# Allegro board SDHCalFEB.brd (continued)
## Routing (per net, layer and track width the routed paths; a pad name or vN(x,y) marks a point on that pad's centre or on a via; arc(x,y) is an arc through that point) (continued)
GEM_OUT_J26: length 12.1
  TOP w0.127: R2029.2 194.01,140.84 R776.1 v2(193.04,142.32)
  GND1 w0.127: v2(193.04,142.32) v3(193.56,141.8)
  SIG3 w0.127: v3(201.68,141.68) 194.22,141.68 194.11,141.8 v3(193.56,141.8)
  GND3 w0.127: v4(202.2,142.2) v3(201.68,141.68)
GEM_OUT_J27: length 35.9
  TOP w0.127: R777.1 v2(254.76,156.06) 254.76,157.03 R2017.2
  GND1 w0.127: v3(254.76,155.32) v2(254.76,156.06)
  SIG3 w0.127: v3(254.76,155.32) 254.76,151.05 250.34,146.63 237.36,146.63 236.47,145.75 232.79,145.75 231.46,144.42 v3(231.46,142.2)
  GND3 w0.127: v4(232.2,142.2) v3(231.46,142.2)
GEM_OUT_J28: length 3.4
  TOP w0.127: R778.1 244.63,142.2 v2(243.67,142.2) 242.72,142.2 R2013.2
  GND1 w0.127: v3(242.94,142.2) v2(243.67,142.2)
  GND3 w0.127: v4(242.2,142.2) v3(242.94,142.2)
GEM_OUT_J29: length 3.9
  TOP w0.127: R2009.2 253.67,140.7 v2(253.67,142.2) 254.63,142.2 R779.1
  GND1 w0.127: v3(252.94,142.2) v2(253.67,142.2)
  GND3 w0.127: v4(252.2,142.2) v3(252.94,142.2)
GEM_OUT_J30: length 3.4
  TOP w0.127: R2033.2 191.71,142.2 v2(190.73,142.2) 189.77,142.2 R780.1
  GND1 w0.127: v3(191.46,142.2) v2(190.73,142.2)
  GND3 w0.127: v4(192.2,142.2) v3(191.46,142.2)
GEM_OUT_J31: length 44.1
  TOP w0.127: R2021.2 183.2,146.3 v2(182.22,146.3) R781.1
  GND1 w0.127: v2(182.22,146.3) v3(182.22,145.56)
  SIG3 w0.127: v3(182.22,145.56) 200.08,145.56 202.87,142.77 220.89,142.77 v3(221.46,142.2)
  GND3 w0.127: v4(222.2,142.2) v3(221.46,142.2)
GEM_OUT_J32: length 3.9
  TOP w0.127: R2037.2 181.45,141.46 v2(182.94,141.46) 182.94,140.51 R782.1
  GND1 w0.127: v3(182.2,141.46) v2(182.94,141.46)
  GND3 w0.127: v4(182.2,142.2) v3(182.2,141.46)
GEM_OUT_J33: length 3.9
  TOP w0.127: R2069.2 180.72,133.67 v2(182.2,133.67) 182.2,134.62 R783.1
  GND1 w0.127: v3(182.2,132.94) v2(182.2,133.67)
  GND3 w0.127: v4(182.2,132.2) v3(182.2,132.94)
GEM_OUT_J34: length 32.7
  TOP w0.127: R784.1 v2(183.29,127.77) 184.25,127.77 R2057.2
  GND1 w0.127: v3(184.02,127.77) v2(183.29,127.77)
  SIG3 w0.127: v3(211.46,132.2) 203.8,132.2 199.37,127.77 v3(184.02,127.77)
  GND3 w0.127: v4(212.2,132.2) v3(211.46,132.2)
GEM_OUT_J35: length 3.4
  TOP w0.127: R2065.2 190.73,132.21 v2(190.73,132.2) 189.77,132.2 R785.1
  GND1 w0.127: v3(191.46,132.2) v2(190.73,132.2)
  GND3 w0.127: v4(192.2,132.2) v3(191.46,132.2)
GEM_OUT_J36: length 37
  TOP w0.127: R2053.2 191.49,127.67 R786.1 v2(189.97,126.72)
  GND1 w0.127: v3(190.7,126.72) v2(189.97,126.72)
  SIG3 w0.127: v3(190.7,126.72) 199.97,126.72 204.09,130.84 220.1,130.84 v3(221.46,132.2)
  GND3 w0.127: v4(222.2,132.2) v3(221.46,132.2)
GEM_OUT_J37: length 4
  TOP w0.127: R2041.2 253.67,130.69 v2(253.67,132.2) 254.63,132.2 R787.1
  GND1 w0.127: v3(252.94,132.2) v2(253.67,132.2)
  GND3 w0.127: v4(252.2,132.2) v3(252.94,132.2)
GEM_OUT_J38: length 3.9
  TOP w0.127: v2(243.67,132.2) 242.73,132.2 R788.1 242.72,132.2 R2045.2
  GND1 w0.127: v3(242.94,132.2) v2(243.67,132.2)
  GND3 w0.127: v4(242.2,132.2) v3(242.94,132.2)
GEM_OUT_J39: length 17.2
  TOP w0.127: R789.1 v2(244.47,130.84) 244.47,129.34 R2049.2
  GND1 w0.127: v3(244.47,131.57) v2(244.47,130.84)
  SIG3 w0.127: v3(231.46,132.2) 232.09,131.57 v3(244.47,131.57)
  GND3 w0.127: v4(232.2,132.2) v3(231.46,132.2)
GEM_OUT_J40: length 8.2
  TOP w0.127: v2(200.73,132.2) 197.62,129.09 R790.1 196.82,129.09 R2061.2
  GND1 w0.127: v3(201.46,132.2) v2(200.73,132.2)
  GND3 w0.127: v4(202.2,132.2) v3(201.46,132.2)
GEM_OUT_J41: length 3.9
  TOP w0.127: R791.1 182.2,124.64 v2(182.2,123.67) 180.71,123.67 R2101.2
  GND1 w0.127: v3(182.2,122.94) v2(182.2,123.67)
  GND3 w0.127: v4(182.2,122.2) v3(182.2,122.94)
GEM_OUT_J42: length 37.3
  TOP w0.127: R2089.2 179.59,115.34 v2(181.09,115.34) R792.1
  GND1 w0.127: v2(181.09,115.34) v3(181.09,116.08)
  SIG3 w0.127: v3(181.09,116.08) 206.81,116.08 v3(212.2,121.46)
  GND3 w0.127: v4(212.2,122.2) v3(212.2,121.46)
GEM_OUT_J43: length 3.4
  TOP w0.127: R2132.2 179.74,112.2 v2(180.73,112.2) 181.67,112.2 R793.1
  GND1 w0.127: v3(181.46,112.2) v2(180.73,112.2)
  GND3 w0.127: v4(182.2,112.2) v3(181.46,112.2)
GEM_OUT_J44: length 3.9
  TOP w0.127: R2097.2 191.24,119.24 R794.1 191.25,120.73 v2(192.2,120.73)
  GND1 w0.127: v3(192.2,121.46) v2(192.2,120.73)
  GND3 w0.127: v4(192.2,122.2) v3(192.2,121.46)
GEM_OUT_J45: length 34.8
  TOP w0.127: R2085.2 192.6,113.92 v2(194.1,113.92) R795.1
  GND1 w0.127: v3(194.1,114.66) v2(194.1,113.92)
  SIG3 w0.127: v3(194.1,114.66) 215.39,114.66 v3(222.2,121.46)
  GND3 w0.127: v4(222.2,122.2) v3(222.2,121.46)
GEM_OUT_J46: length 3.4
  TOP w0.127: R2128.2 190.49,111.46 v2(191.46,111.46) R796.1
  GND1 w0.127: v3(192.2,111.46) v2(191.46,111.46)
  GND3 w0.127: v4(192.2,112.2) v3(192.2,111.46)
GEM_OUT_J47: length 3.9
  TOP w0.127: R2073.2 253.71,121.69 R797.1 252.2,121.68 v2(252.2,120.73)
  GND1 w0.127: v3(252.2,121.46) v2(252.2,120.73)
  GND3 w0.127: v4(252.2,122.2) v3(252.2,121.46)
GEM_OUT_J48: length 3.4
  TOP w0.127: R798.1 v2(243.67,122.2) 242.7,122.2 R2077.2
  GND1 w0.127: v3(242.94,122.2) v2(243.67,122.2)
  GND3 w0.127: v4(242.2,122.2) v3(242.94,122.2)
GEM_OUT_J49: length 8
  TOP w0.127: R2081.2 237.72,120.71 v2(237.72,122.2) 238.68,122.2 R799.1
  GND1 w0.127: v2(237.72,122.2) v3(236.98,122.2)
  SIG3 w0.127: v3(236.98,122.2) v3(232.94,122.2)
  GND3 w0.127: v4(232.2,122.2) v3(232.94,122.2)
GEM_OUT_J50: length 3.4
  TOP w0.127: R800.1 202.2,119.76 v2(202.2,120.73) R2093.2
  GND1 w0.127: v3(202.2,121.46) v2(202.2,120.73)
  GND3 w0.127: v4(202.2,122.2) v3(202.2,121.46)
GEM_OUT_J51: length 3.4
  TOP w0.127: R2164.2 182.2,102.73 v2(182.2,103.67) 182.2,104.63 R801.1
  GND1 w0.127: v3(182.2,102.94) v2(182.2,103.67)
  GND3 w0.127: v4(182.2,102.2) v3(182.2,102.94)
GEM_OUT_J52: length 4
  TOP w0.127: R2160.2 189.25,102.2 v2(190.73,102.2) 190.73,102.2 R802.1
  GND1 w0.127: v3(191.46,102.2) v2(190.73,102.2)
  GND3 w0.127: v4(192.2,102.2) v3(191.46,102.2)
GEM_OUT_J53: length 3.9
  TOP w0.127: v2(202.2,110.73) 202.2,109.78 R803.1 R2124.2
  GND1 w0.127: v3(202.2,111.46) v2(202.2,110.73)
  GND3 w0.127: v4(202.2,112.2) v3(202.2,111.46)
GEM_OUT_J54: length 3.4
  TOP w0.127: R2156.2 201.68,102.2 v2(200.73,102.2) 199.77,102.2 R804.1
  GND1 w0.127: v3(201.46,102.2) v2(200.73,102.2)
  GND3 w0.127: v4(202.2,102.2) v3(201.46,102.2)
GEM_OUT_J55: length 3.4
  TOP w0.127: R805.1 v2(210.73,102.2) 211.67,102.2 R2152.2
  GND1 w0.127: v3(211.46,102.2) v2(210.73,102.2)
  GND3 w0.127: v4(212.2,102.2) v3(211.46,102.2)
GEM_OUT_J56: length 3.9
  TOP w0.127: R806.1 209.76,112.2 v2(210.73,112.2) 210.73,110.74 R2120.2
  GND1 w0.127: v3(211.46,112.2) v2(210.73,112.2)
  GND3 w0.127: v4(212.2,112.2) v3(211.46,112.2)
GEM_OUT_J57: length 3.4
  TOP w0.127: R807.1 219.76,102.2 v2(220.73,102.2) 221.71,102.2 R2148.2
  GND1 w0.127: v3(221.46,102.2) v2(220.73,102.2)
  GND3 w0.127: v4(222.2,102.2) v3(221.46,102.2)
GEM_OUT_J58: length 3.4
  TOP w0.127: R808.1 v2(230.73,102.2) 231.69,102.2 R2144.2
  GND1 w0.127: v3(231.46,102.2) v2(230.73,102.2)
  GND3 w0.127: v4(232.2,102.2) v3(231.46,102.2)
GEM_OUT_J59: length 3.4
  TOP w0.127: R2140.2 241.7,102.2 v2(240.73,102.2) 239.75,102.2 R809.1
  GND1 w0.127: v3(241.46,102.2) v2(240.73,102.2)
  GND3 w0.127: v4(242.2,102.2) v3(241.46,102.2)
GEM_OUT_J60: length 3.4
  TOP w0.127: R810.1 v2(250.73,102.2) 251.68,102.2 R2136.2
  GND1 w0.127: v3(251.46,102.2) v2(250.73,102.2)
  GND3 w0.127: v4(252.2,102.2) v3(251.46,102.2)
GEM_OUT_J61: length 4
  TOP w0.127: R811.1 252.2,109.75 v2(252.2,110.73) 253.7,110.73 R2105.2
  GND1 w0.127: v3(252.2,111.46) v2(252.2,110.73)
  GND3 w0.127: v4(252.2,112.2) v3(252.2,111.46)
GEM_OUT_J62: length 4
  TOP w0.127: R2108.2 243.68,110.73 v2(242.2,110.73) 242.2,109.76 R812.1
  GND1 w0.127: v3(242.2,111.46) v2(242.2,110.73)
  GND3 w0.127: v4(242.2,112.2) v3(242.2,111.46)
GEM_OUT_J63: length 4
  TOP w0.127: R2112.2 233.7,110.73 v2(232.2,110.73) 232.2,109.75 R813.1
  GND1 w0.127: v3(232.2,111.46) v2(232.2,110.73)
  GND3 w0.127: v4(232.2,112.2) v3(232.2,111.46)
GEM_OUT_J64: length 3.4
  TOP w0.127: R2116.2 220.71,112.2 v2(220.73,112.2) 221.67,112.2 R814.1
  GND1 w0.127: v3(221.46,112.2) v2(220.73,112.2)
  GND3 w0.127: v4(222.2,112.2) v3(221.46,112.2)
GEM_OUT_K1: length 5.1
  TOP w0.127: R834.1 172.2,158.09 v2(172.2,160.73) 173.15,160.73 R1956.2
  GND1 w0.127: v3(172.2,161.46) v2(172.2,160.73)
  GND3 w0.127: v4(172.2,162.2) v3(172.2,161.46)
GEM_OUT_K2: length 3.4
  TOP w0.127: R1934.2 172.2,172.73 v2(172.2,173.67) 172.2,174.65 R835.1
  GND1 w0.127: v3(172.2,172.94) v2(172.2,173.67)
  GND3 w0.127: v4(172.2,172.2) v3(172.2,172.94)
GEM_OUT_K3: length 3.4
  TOP w0.127: R836.1 162.2,164.62 v2(162.2,163.67) 162.2,162.72 R1922.2
  GND1 w0.127: v3(162.2,162.94) v2(162.2,163.67)
  GND3 w0.127: v4(162.2,162.2) v3(162.2,162.94)
GEM_OUT_K4: length 3.9
  TOP w0.127: R1938.2 160.73,173.71 v2(160.73,172.2) 159.77,172.2 R837.1
  GND1 w0.127: v3(161.46,172.2) v2(160.73,172.2)
  GND3 w0.127: v4(162.2,172.2) v3(161.46,172.2)
GEM_OUT_K5: length 3.4
  TOP w0.127: R1923.2 152.2,162.72 v2(152.2,163.67) 152.2,164.65 R838.1
  GND1 w0.127: v3(152.2,162.94) v2(152.2,163.67)
  GND3 w0.127: v4(152.2,162.2) v3(152.2,162.94)
GEM_OUT_K6: length 1.5
  TOP w0.127: R2170.1 R839.1
GEM_OUT_K7: length 3.4
  TOP w0.127: R1963.2 142.2,162.72 v2(142.2,163.67) 142.2,164.62 R840.1
  GND1 w0.127: v3(142.2,162.94) v2(142.2,163.67)
  GND3 w0.127: v4(142.2,162.2) v3(142.2,162.94)
GEM_OUT_K8: length 4
  TOP w0.127: R841.1 139.75,172.2 v2(140.73,172.2) 140.73,173.7 R1944.2
  GND1 w0.127: v3(141.46,172.2) v2(140.73,172.2)
  GND3 w0.127: v4(142.2,172.2) v3(141.46,172.2)
GEM_OUT_K9: length 3.4
  TOP w0.127: R842.1 132.2,164.63 v2(132.2,163.67) 132.2,162.71 R1967.2
  GND1 w0.127: v3(132.2,162.94) v2(132.2,163.67)
  GND3 w0.127: v4(132.2,162.2) v3(132.2,162.94)
GEM_OUT_K10: length 3.4
  TOP w0.127: R843.1 132.2,174.65 v2(132.2,173.67) 132.2,172.73 R1946.2
  GND1 w0.127: v3(132.2,172.94) v2(132.2,173.67)
  GND3 w0.127: v4(132.2,172.2) v3(132.2,172.94)
GEM_OUT_K11: length 3.4
  TOP w0.127: R1917.2 122.2,172.7 v2(122.2,173.67) 122.2,174.64 R844.1
  GND1 w0.127: v3(122.2,172.94) v2(122.2,173.67)
  GND3 w0.127: v4(122.2,172.2) v3(122.2,172.94)
GEM_OUT_K12: length 3.4
  TOP w0.127: R845.1 v2(122.2,163.67) 122.2,162.72 R1970.2
  GND1 w0.127: v3(122.2,162.94) v2(122.2,163.67)
  GND3 w0.127: v4(122.2,162.2) v3(122.2,162.94)
GEM_OUT_K13: length 3.9
  TOP w0.127: R846.1 114.63,172.2 v2(113.67,172.2) 113.67,173.7 R1918.2
  GND1 w0.127: v3(112.94,172.2) v2(113.67,172.2)
  GND3 w0.127: v4(112.2,172.2) v3(112.94,172.2)
GEM_OUT_K14: length 3.4
  TOP w0.127: R1954.2 102.2,171.69 v2(102.2,170.73) 102.2,169.78 R847.1
  GND1 w0.127: v3(102.2,171.46) v2(102.2,170.73)
  GND3 w0.127: v4(102.2,172.2) v3(102.2,171.46)
GEM_OUT_K15: length 3.9
  TOP w0.127: R1998.2 122.69,152.21 R848.1 123.67,152.2 v2(123.67,152.2)
  GND1 w0.127: v3(122.94,152.2) v2(123.67,152.2)
  GND3 w0.127: v4(122.2,152.2) v3(122.94,152.2)
GEM_OUT_K16: length 3.4
  TOP w0.127: R1972.2 112.72,162.2 v2(113.67,162.2) 114.65,162.2 R849.1
  GND1 w0.127: v3(112.94,162.2) v2(113.67,162.2)
  GND3 w0.127: v4(112.2,162.2) v3(112.94,162.2)
GEM_OUT_K17: length 3.4
  TOP w0.127: R850.1 104.65,162.2 v2(103.67,162.2) 102.72,162.2 R1931.2
  GND1 w0.127: v3(102.94,162.2) v2(103.67,162.2)
  GND3 w0.127: v4(102.2,162.2) v3(102.94,162.2)
GEM_OUT_K18: length 38.8
  TOP w0.127: R1994.2 97.35,159.38 v2(98.3,159.38) R851.1
  GND1 w0.127: v3(99.03,159.38) v2(98.3,159.38)
  SIG3 w0.127: v3(131.46,152.2) 124.28,159.38 v3(99.03,159.38)
  GND3 w0.127: v4(132.2,152.2) v3(131.46,152.2)
GEM_OUT_K19: length 3.4
  TOP w0.127: R2002.2 113.68,152.21 v2(113.67,152.2) 113.67,152.2 R852.1
  GND1 w0.127: v3(112.94,152.2) v2(113.67,152.2)
  GND3 w0.127: v4(112.2,152.2) v3(112.94,152.2)
GEM_OUT_K20: length 3.4
  TOP w0.127: R2006.2 101.23,153.67 v2(102.2,153.67) 103.18,153.67 R853.1
  GND1 w0.127: v3(102.2,152.94) v2(102.2,153.67)
  GND3 w0.127: v4(102.2,152.2) v3(102.2,152.94)
GEM_OUT_K21: length 45.2
  TOP w0.127: R1990.2 99.74,151.39 v2(99.75,151.38) R854.1
  GND1 w0.127: v3(100.48,151.38) v2(99.75,151.38)
  SIG3 w0.127: v3(142.25,151.47) 141.65,151.47 141.57,151.38 v3(100.48,151.38)
  GND3 w0.127: v4(142.2,152.2) 142.2,151.68 142.24,151.64 142.24,151.48 v3(142.25,151.47)
GEM_OUT_K22: length 9.4
  TOP w0.127: R855.1 160.62,152.2 v2(159.66,152.2) 158.71,152.2 R1986.2
  GND1 w0.127: v3(158.93,152.2) v2(159.66,152.2)
  SIG3 w0.127: v3(152.94,152.2) v3(158.93,152.2)
  GND3 w0.127: v4(152.2,152.2) v3(152.94,152.2)
GEM_OUT_K23: length 3.4
  TOP w0.127: R856.1 163.18,150.73 v2(162.2,150.73) 161.24,150.73 R1982.2
  GND1 w0.127: v3(162.2,151.46) v2(162.2,150.73)
  GND3 w0.127: v4(162.2,152.2) v3(162.2,151.46)
GEM_OUT_K24: length 4.6
  TOP w0.127: R1979.2 172.2,147.65 R857.1 172.2,149.15 v2(172.2,150.73)
  GND1 w0.127: v3(172.2,151.46) v2(172.2,150.73)
  GND3 w0.127: v4(172.2,152.2) v3(172.2,151.46)
GEM_OUT_K25: length 23.8
  TOP w0.127: R2026.2 112.59,143.86 R858.1 v2(111.61,143.85)
  GND1 w0.127: v3(112.34,143.85) v2(111.61,143.85)
  SIG3 w0.127: v3(112.34,143.85) 120.32,143.85 121.97,142.2 v3(131.46,142.2)
  GND3 w0.127: v4(132.2,142.2) v3(131.46,142.2)
GEM_OUT_K26: length 12
  TOP w0.127: v2(113.13,142.29) R859.1 114.08,140.81 R2030.2
  GND1 w0.127: v2(113.13,142.29) v3(113.65,141.77)
  SIG3 w0.127: v3(121.68,141.68) 121.13,141.68 121.04,141.77 v3(113.65,141.77)
  GND3 w0.127: v4(122.2,142.2) v3(121.68,141.68)
GEM_OUT_K27: length 35.9
  TOP w0.127: R860.1 v2(175.11,155.6) 175.11,156.55 R2018.2
  GND1 w0.127: v3(175.11,154.86) v2(175.11,155.6)
  SIG3 w0.127: v3(151.46,142.2) 152.54,142.2 154.33,143.99 166.98,143.99 169.85,146.86 173.35,146.86 175.11,148.62 v3(175.11,154.86)
  GND3 w0.127: v4(152.2,142.2) v3(151.46,142.2)
GEM_OUT_K28: length 3.4
  TOP w0.127: R2014.2 161.98,141.46 v2(162.94,141.46) 163.9,141.46 R861.1
  GND1 w0.127: v3(162.2,141.46) v2(162.94,141.46)
  GND3 w0.127: v4(162.2,142.2) v3(162.2,141.46)
GEM_OUT_K29: length 3.9
  TOP w0.127: R862.1 173.89,141.46 v2(172.94,141.46) 172.94,139.95 R2010.2
  GND1 w0.127: v3(172.2,141.46) v2(172.94,141.46)
  GND3 w0.127: v4(172.2,142.2) v3(172.2,141.46)
GEM_OUT_K30: length 3.4
  TOP w0.127: R863.1 109.78,142.2 v2(110.73,142.2) 111.66,142.2 R2034.2
  GND1 w0.127: v3(111.46,142.2) v2(110.73,142.2)
  GND3 w0.127: v4(112.2,142.2) v3(111.46,142.2)
GEM_OUT_K31: length 45.6
  TOP w0.127: R864.1 v2(101.17,147.42) 101.15,147.44 R2022.2
  GND1 w0.127: v3(101.17,146.69) v2(101.17,147.42)
  SIG3 w0.127: v3(101.17,146.69) 118.9,146.69 122.81,142.77 134.44,142.77 135.02,142.2 v3(141.46,142.2)
  GND3 w0.127: v4(142.2,142.2) v3(141.46,142.2)
GEM_OUT_K32: length 3.9
  TOP w0.127: R2038.2 101.46,141.46 v2(102.94,141.46) 102.94,140.51 R865.1
  GND1 w0.127: v3(102.2,141.46) v2(102.94,141.46)
  GND3 w0.127: v4(102.2,142.2) v3(102.2,141.46)
GEM_OUT_K33: length 3.9
  TOP w0.127: R2070.2 100.71,133.67 v2(102.2,133.67) 102.2,134.61 R866.1
  GND1 w0.127: v3(102.2,132.94) v2(102.2,133.67)
  GND3 w0.127: v4(102.2,132.2) v3(102.2,132.94)
GEM_OUT_K34: length 32.8
  TOP w0.127: R867.1 v2(103.17,127.69) 104.14,127.69 R2058.2
  GND1 w0.127: v2(103.17,127.69) v3(103.91,127.69)
  SIG3 w0.127: v3(131.46,132.2) 124.05,132.2 119.54,127.69 v3(103.91,127.69)
  GND3 w0.127: v4(132.2,132.2) v3(131.46,132.2)
GEM_OUT_K35: length 3.4
  TOP w0.127: R2066.2 110.74,132.2 v2(110.73,132.2) 109.78,132.2 R868.1
  GND1 w0.127: v3(111.46,132.2) v2(110.73,132.2)
  GND3 w0.127: v4(112.2,132.2) v3(111.46,132.2)
GEM_OUT_K36: length 36.9
  TOP w0.127: R2054.2 109.99,127.71 R869.1 v2(109.98,126.75)
  GND1 w0.127: v3(110.72,126.75) v2(109.98,126.75)
  SIG3 w0.127: v3(141.46,132.2) 139.36,130.1 123.65,130.1 120.3,126.75 v3(110.72,126.75)
  GND3 w0.127: v4(142.2,132.2) v3(141.46,132.2)
GEM_OUT_K37: length 4
  TOP w0.127: R2042.2 173.67,130.68 v2(173.67,132.2) 174.64,132.2 R870.1
  GND1 w0.127: v3(172.94,132.2) v2(173.67,132.2)
  GND3 w0.127: v4(172.2,132.2) v3(172.94,132.2)
GEM_OUT_K38: length 4
  TOP w0.127: R2046.2 R871.1 162.7,132.2 v2(163.67,132.2)
  GND1 w0.127: v3(162.94,132.2) v2(163.67,132.2)
  GND3 w0.127: v4(162.2,132.2) v3(162.94,132.2)
GEM_OUT_K39: length 17.3
  TOP w0.127: R872.1 v2(164.54,130.89) 164.54,129.39 R2050.2
  GND1 w0.127: v2(164.54,130.89) v3(164.54,131.62)
  SIG3 w0.127: v3(164.54,131.62) 154.84,131.62 154.26,132.2 v3(151.46,132.2)
  GND3 w0.127: v4(152.2,132.2) v3(151.46,132.2)
GEM_OUT_K40: length 8
  TOP w0.127: R2062.2 115.33,129.37 R873.1 117.9,129.37 v2(120.73,132.2)
  GND1 w0.127: v3(121.46,132.2) v2(120.73,132.2)
  GND3 w0.127: v4(122.2,132.2) v3(121.46,132.2)
GEM_OUT_K41: length 3.9
  TOP w0.127: R874.1 102.2,124.61 v2(102.2,123.67) 100.72,123.67 R2102.2
  GND1 w0.127: v3(102.2,122.94) v2(102.2,123.67)
  GND3 w0.127: v4(102.2,122.2) v3(102.2,122.94)
GEM_OUT_K42: length 36.6
  TOP w0.127: R875.1 v2(100.41,116.18) 99.45,116.18 R2090.2
  GND1 w0.127: v3(101.14,116.18) v2(100.41,116.18)
  SIG3 w0.127: v3(101.14,116.18) 126.92,116.18 v3(132.2,121.46)
  GND3 w0.127: v4(132.2,122.2) v3(132.2,121.46)
GEM_OUT_K43: length 3.4
  TOP w0.127: R2133.2 99.78,112.2 v2(100.73,112.2) 101.66,112.2 R876.1
  GND1 w0.127: v3(101.46,112.2) v2(100.73,112.2)
  GND3 w0.127: v4(102.2,112.2) v3(101.46,112.2)
GEM_OUT_K44: length 3.9
  TOP w0.127: R2098.2 111.23,119.24 R877.1 111.24,120.73 v2(112.2,120.73)
  GND1 w0.127: v3(112.2,121.46) v2(112.2,120.73)
  GND3 w0.127: v4(112.2,122.2) v3(112.2,121.46)
GEM_OUT_K45: length 34.6
  TOP w0.127: R878.1 v2(114.27,114.05) 112.79,114.05 R2086.2
  GND1 w0.127: v3(114.27,114.78) v2(114.27,114.05)
  SIG3 w0.127: v3(114.27,114.78) 120.6,114.78 120.62,114.76 121.1,114.76 121.12,114.78 135.52,114.78 v3(142.2,121.46)
  GND3 w0.127: v4(142.2,122.2) v3(142.2,121.46)
GEM_OUT_K46: length 3.4
  TOP w0.127: R879.1 v2(111.46,111.46) 110.5,111.46 R2129.2
  GND1 w0.127: v3(112.2,111.46) v2(111.46,111.46)
  GND3 w0.127: v4(112.2,112.2) v3(112.2,111.46)
GEM_OUT_K47: length 3.4
  TOP w0.127: R2074.2 172.71,122.2 v2(173.67,122.2) 174.64,122.2 R880.1
  GND1 w0.127: v3(172.94,122.2) v2(173.67,122.2)
  GND3 w0.127: v4(172.2,122.2) v3(172.94,122.2)
GEM_OUT_K48: length 3.9
  TOP w0.127: R881.1 v2(163.67,122.2) 163.67,120.7 R2078.2
  GND1 w0.127: v3(162.94,122.2) v2(163.67,122.2)
  GND3 w0.127: v4(162.2,122.2) v3(162.94,122.2)
GEM_OUT_K49: length 8.6
  TOP w0.127: R882.1 159.3,122.2 v2(158.34,122.2) 158.34,120.71 R2082.2
  GND1 w0.127: v3(157.61,122.2) v2(158.34,122.2)
  SIG3 w0.127: v3(152.94,122.2) v3(157.61,122.2)
  GND3 w0.127: v4(152.2,122.2) v3(152.94,122.2)
GEM_OUT_K50: length 3.4
  TOP w0.127: R883.1 v2(122.2,120.73) 122.2,121.67 R2094.2
  GND1 w0.127: v3(122.2,121.46) v2(122.2,120.73)
  GND3 w0.127: v4(122.2,122.2) v3(122.2,121.46)
GEM_OUT_K51: length 3.4
  TOP w0.127: R2165.2 102.2,102.72 v2(102.2,103.67) 102.2,104.62 R884.1
  GND1 w0.127: v3(102.2,102.94) v2(102.2,103.67)
  GND3 w0.127: v4(102.2,102.2) v3(102.2,102.94)
GEM_OUT_K52: length 3.9
  TOP w0.127: R885.1 109.78,102.2 v2(110.73,102.2) 110.73,100.73 R2161.2
  GND1 w0.127: v3(111.46,102.2) v2(110.73,102.2)
  GND3 w0.127: v4(112.2,102.2) v3(111.46,102.2)
GEM_OUT_K53: length 3.9
  TOP w0.127: R2125.2 120.7,109.76 R886.1 v2(122.2,110.73)
  GND1 w0.127: v3(122.2,111.46) v2(122.2,110.73)
  GND3 w0.127: v4(122.2,112.2) v3(122.2,111.46)
GEM_OUT_K54: length 3.9
  TOP w0.127: R887.1 119.76,102.2 v2(120.73,102.2) 120.73,100.72 R2157.2
  GND1 w0.127: v3(121.46,102.2) v2(120.73,102.2)
  GND3 w0.127: v4(122.2,102.2) v3(121.46,102.2)
GEM_OUT_K55: length 3.4
  TOP w0.127: R2153.2 131.69,102.2 v2(130.73,102.2) 129.77,102.2 R888.1
  GND1 w0.127: v3(131.46,102.2) v2(130.73,102.2)
  GND3 w0.127: v4(132.2,102.2) v3(131.46,102.2)
GEM_OUT_K56: length 3.9
  TOP w0.127: R2121.2 130.73,110.73 v2(130.73,112.2) 129.78,112.2 R889.1
  GND1 w0.127: v3(131.46,112.2) v2(130.73,112.2)
  GND3 w0.127: v4(132.2,112.2) v3(131.46,112.2)
GEM_OUT_K57: length 3.9
  TOP w0.127: R2149.2 140.73,100.73 v2(140.73,102.2) R890.1
  GND1 w0.127: v3(141.46,102.2) v2(140.73,102.2)
  GND3 w0.127: v4(142.2,102.2) v3(141.46,102.2)
GEM_OUT_K58: length 3.4
  TOP w0.127: R891.1 v2(150.73,102.2) 151.68,102.2 R2145.2
  GND1 w0.127: v3(151.46,102.2) v2(150.73,102.2)
  GND3 w0.127: v4(152.2,102.2) v3(151.46,102.2)
GEM_OUT_K59: length 3.4
  TOP w0.127: R2141.2 161.69,102.2 v2(160.73,102.2) R892.1
  GND1 w0.127: v3(161.46,102.2) v2(160.73,102.2)
  GND3 w0.127: v4(162.2,102.2) v3(161.46,102.2)
GEM_OUT_K60: length 3.4
  TOP w0.127: R893.1 v2(170.73,102.2) R2137.2
  GND1 w0.127: v3(171.46,102.2) v2(170.73,102.2)
  GND3 w0.127: v4(172.2,102.2) v3(171.46,102.2)
GEM_OUT_K61: length 3.9
  TOP w0.127: R894.1 172.2,109.78 v2(172.2,110.73) 173.66,110.73 R2106.2
  GND1 w0.127: v3(172.2,111.46) v2(172.2,110.73)
  GND3 w0.127: v4(172.2,112.2) v3(172.2,111.46)
GEM_OUT_K62: length 3.9
  TOP w0.127: R895.1 162.2,109.77 v2(162.2,110.73) 163.7,110.73 R2109.2
  GND1 w0.127: v3(162.2,111.46) v2(162.2,110.73)
  GND3 w0.127: v4(162.2,112.2) v3(162.2,111.46)
GEM_OUT_K63: length 3.4
  TOP w0.127: R896.1 152.2,109.77 v2(152.2,110.73) 152.2,111.69 R2113.2
  GND1 w0.127: v3(152.2,111.46) v2(152.2,110.73)
  GND3 w0.127: v4(152.2,112.2) v3(152.2,111.46)
GEM_OUT_K64: length 3.4
  TOP w0.127: R897.1 v2(140.73,112.2) 140.73,112.21 R2117.2
  GND1 w0.127: v3(141.46,112.2) v2(140.73,112.2)
  GND3 w0.127: v4(142.2,112.2) v3(141.46,112.2)
GEM_OUT_L1: length 5.1
  TOP w0.127: R1951.2 93.16,160.73 v2(92.2,160.73) 92.2,158.12 R917.1
  GND1 w0.127: v3(92.2,161.46) v2(92.2,160.73)
  GND3 w0.127: v4(92.2,162.2) v3(92.2,161.46)
GEM_OUT_L2: length 3.4
  TOP w0.127: R1935.2 92.2,172.7 v2(92.2,173.67) 92.2,174.61 R918.1
  GND1 w0.127: v3(92.2,172.94) v2(92.2,173.67)
  GND3 w0.127: v4(92.2,172.2) v3(92.2,172.94)
GEM_OUT_L3: length 3.4
  TOP w0.127: R1955.2 82.2,162.72 v2(82.2,163.67) 82.2,164.62 R919.1
  GND1 w0.127: v3(82.2,162.94) v2(82.2,163.67)
  GND3 w0.127: v4(82.2,162.2) v3(82.2,162.94)
GEM_OUT_L4: length 4
  TOP w0.127: R920.1 79.76,172.2 v2(80.73,172.2) 80.73,173.71 R1939.2
  GND1 w0.127: v3(81.46,172.2) v2(80.73,172.2)
  GND3 w0.127: v4(82.2,172.2) v3(81.46,172.2)
GEM_OUT_L5: length 3.4
  TOP w0.127: R1921.2 72.2,162.72 v2(72.2,163.67) 72.2,164.61 R921.1
  GND1 w0.127: v3(72.2,162.94) v2(72.2,163.67)
  GND3 w0.127: v4(72.2,162.2) v3(72.2,162.94)
GEM_OUT_L6: length 1.5
  TOP w0.127: R2171.1 R922.1
GEM_OUT_L7: length 3.4
  TOP w0.127: R1977.2 62.2,162.73 v2(62.2,163.67) 62.2,164.65 R923.1
  GND1 w0.127: v3(62.2,162.94) v2(62.2,163.67)
  GND3 w0.127: v4(62.2,162.2) v3(62.2,162.94)
GEM_OUT_L8: length 3.9
  TOP w0.127: R1925.2 60.73,173.71 v2(60.73,172.2) 59.77,172.2 R924.1
  GND1 w0.127: v3(61.46,172.2) v2(60.73,172.2)
  GND3 w0.127: v4(62.2,172.2) v3(61.46,172.2)
GEM_OUT_L9: length 3.4
  TOP w0.127: R1960.2 52.2,162.72 v2(52.2,163.67) 52.2,164.62 R925.1
  GND1 w0.127: v3(52.2,162.94) v2(52.2,163.67)
  GND3 w0.127: v4(52.2,162.2) v3(52.2,162.94)
GEM_OUT_L10: length 3.4
  TOP w0.127: R1916.2 52.2,172.7 v2(52.2,173.67) 52.2,174.64 R926.1
  GND1 w0.127: v3(52.2,172.94) v2(52.2,173.67)
  GND3 w0.127: v4(52.2,172.2) v3(52.2,172.94)
GEM_OUT_L11: length 3.4
  TOP w0.127: R927.1 42.2,174.62 v2(42.2,173.67) 42.2,172.71 R1948.2
  GND1 w0.127: v3(42.2,172.94) v2(42.2,173.67)
  GND3 w0.127: v4(42.2,172.2) v3(42.2,172.94)
GEM_OUT_L12: length 3.4
  TOP w0.127: R1964.2 42.2,162.71 v2(42.2,163.67) 42.2,164.61 R928.1
  GND1 w0.127: v3(42.2,162.94) v2(42.2,163.67)
  GND3 w0.127: v4(42.2,162.2) v3(42.2,162.94)
GEM_OUT_L15: length 3.9
  TOP w0.127: R1983.2 42.7,152.21 R931.1 42.72,152.2 v2(43.67,152.2)
  GND1 w0.127: v3(42.94,152.2) v2(43.67,152.2)
  GND3 w0.127: v4(42.2,152.2) v3(42.94,152.2)
GEM_OUT_L18: length 25.2
  TOP w0.127: R934.1 v2(32.61,159.03) 32.61,159.98 R1980.2
  GND1 w0.127: v3(32.61,158.29) v2(32.61,159.03)
  SIG3 w0.127: v3(32.61,158.29) 37.97,152.94 v3(52.2,152.94)
  GND3 w0.127: v4(52.2,152.2) v3(52.2,152.94)
GEM_OUT_L21: length 39
  TOP w0.127: R1932.2 v2(29.84,160.17) R937.1
  GND1 w0.127: v3(29.84,159.44) v2(29.84,160.17)
  SIG3 w0.127: v3(29.84,159.44) 37.82,151.46 v3(62.2,151.46)
  GND3 w0.127: v4(62.2,152.2) v3(62.2,151.46)
GEM_OUT_L22: length 9.7
  TOP w0.127: R1929.2 79.02,152.2 v2(79.96,152.2) 80.92,152.2 R938.1
  GND1 w0.127: v3(79.22,152.2) v2(79.96,152.2)
  SIG3 w0.127: v3(72.94,152.2) v3(79.22,152.2)
  GND3 w0.127: v4(72.2,152.2) v3(72.94,152.2)
GEM_OUT_L23: length 3.4
  TOP w0.127: R939.1 83.16,150.73 v2(82.2,150.73) 81.24,150.73 R1971.2
  GND1 w0.127: v3(82.2,151.46) v2(82.2,150.73)
  GND3 w0.127: v4(82.2,152.2) v3(82.2,151.46)
GEM_OUT_L24: length 4.5
  TOP w0.127: R1968.2 92.19,147.72 R940.1 92.19,149.82 92.2,149.83 v2(92.2,150.73)
  GND1 w0.127: v3(92.2,151.46) v2(92.2,150.73)
  GND3 w0.127: v4(92.2,152.2) v3(92.2,151.46)
GEM_OUT_L25: length 47.5
  TOP w0.127: R941.1 v2(23.83,158.55) 23.83,159.5 R1999.2
  GND1 w0.127: v3(23.83,157.81) v2(23.83,158.55)
  SIG3 w0.127: v3(23.83,157.81) 38.86,142.78 54.33,142.78 54.9,142.2 v3(61.46,142.2)
  GND3 w0.127: v4(62.2,142.2) v3(61.46,142.2)
GEM_OUT_L26: length 30.2
  TOP w0.127: R942.1 v2(21.13,158.52) 21.13,159.47 R2007.2
  GND1 w0.127: v3(21.13,157.78) v2(21.13,158.52)
  SIG3 w0.127: v3(41.46,142.2) 36.72,142.2 v3(21.13,157.78)
  GND3 w0.127: v4(42.2,142.2) v3(41.46,142.2)
